# Altium PCB 2-quilter-output.pcbdoc (part 11 of 17)
Units mil, origin at the board's own origin, x right, y up, seen from the top; angles counter-clockwise.
Board outline 2728 x 2217 mil, 8 copper layers (L1_TOP, L2_GND, L3_INNER1, L4_GND, L5_PWR, L6_PWR, L7_GND, L8_BOT), stack 48.64 mil thick; 230 components, 327 nets, 1592 pads, 995 vias.
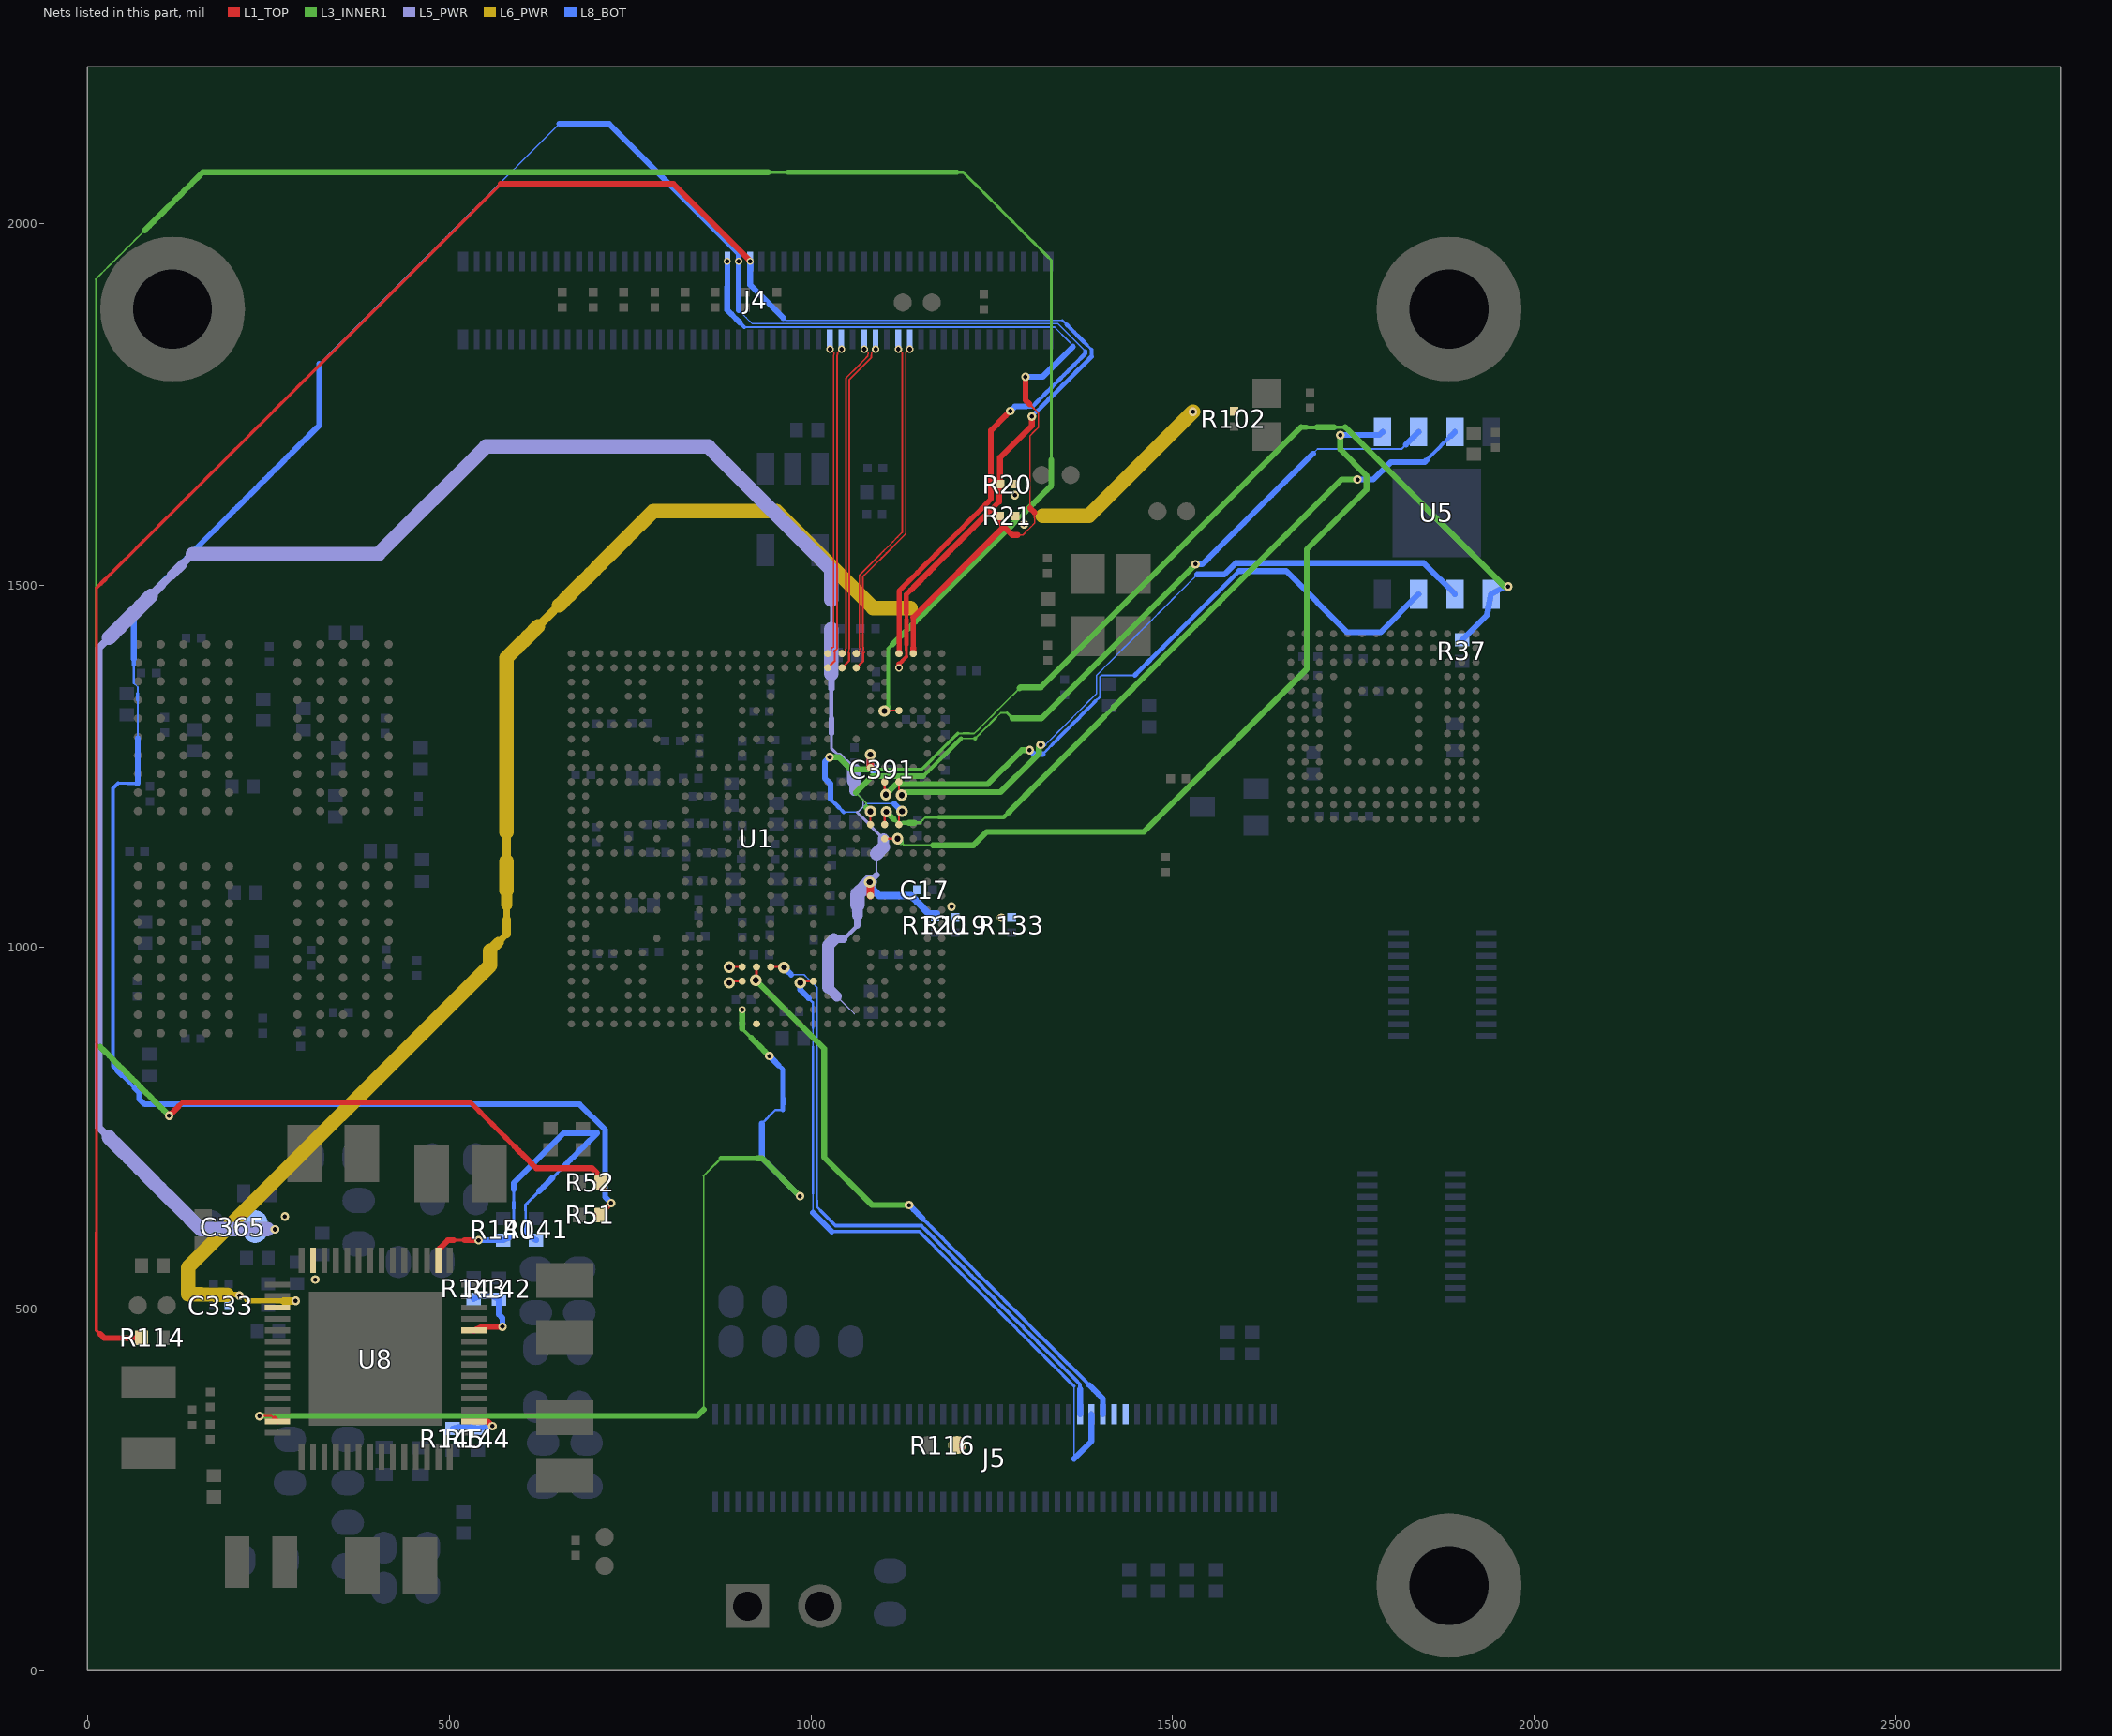
[diagram p17: the nets of this part, all layers, seen from the top]

## Via types
v1: diameter 12.01, hole 5.91, L1_TOP to L8_BOT, tented both sides, 409 vias
v2: diameter 16, hole 8, L1_TOP to L8_BOT, tented both sides, 329 vias
v3: diameter 10, hole 6, L1_TOP to L8_BOT, tented both sides, 205 vias
v4: diameter 16, hole 8, L1_TOP to L8_BOT, tented top, 52 vias

## Nets (pads, with @x,y where several pads share a name; then routed paths per layer and width w, separated by ;. In a path a pad name is that pad's centre, name@x,y a point inside that pad or via, vN(x,y) a via of type N, cw(c..) or ccw(c..) an arc to the next point about the centre after c; other vN are vias at no path point) (continued)
NVCC_SD2: C17.1 C365.1 R119.1 R120.1 R133.1 U1.V22 U8.55 | length 3000.5
  L1_TOP w10: v2(1081.23,1090.09) 1082.37,1088.95 U1.V22@1082.37,1071.16
  L5_PWR w2: 1036.03,932.07 1048.4,919.7 1060.07,908.03 ; 1059.67,1216.4 1068.31,1207.77 1072.15,1203.93 1072.15,1194.32 1064.09,1186.27 ; 1090.96,1099.82 1090.96,1114.54 1090.96,1129.27
  L5_PWR w4.21: 1028.43,1295.59 1028.43,1275.05 1038.84,1264.63 ; 1028.43,1439.39 1028.43,1459.93 1028.43,1480.48 ; 1064.09,1186.25 1076.61,1173.73 1089.14,1161.2 1100.31,1150.03
  L5_PWR w5.79: 1028.43,1316.13 1028.43,1336.68 1028.43,1357.22 ; 1045.54,1011 1054.95,1020.41 1064.36,1029.82
  L5_PWR w7.38: 1028.43,1295.59 1028.43,1316.13
  L5_PWR w8.96: 1028.43,1357.22 1028.43,1377.76 ; 1038.84,1264.63 1049.26,1254.22 ; 1064.36,1029.82 1064.36,1044.25 ; v2(1081.23,1090.09) 1090.96,1099.82
  L5_PWR w10.55: 29.97,737.3 15.84,751.42 15.84,772.11 15.84,792.79 15.84,813.48 15.84,834.16 15.84,854.85 15.84,875.54 15.84,896.22 15.84,916.91 15.84,937.59 15.84,958.28 15.84,978.96 15.84,999.65 15.84,1020.33 15.84,1041.02 15.84,1061.7 15.84,1082.39 15.84,1103.08 15.84,1123.76 15.84,1144.45 15.84,1165.13 15.84,1185.82 15.84,1206.5 15.84,1227.19 15.84,1247.87 15.84,1268.56 15.84,1289.24 15.84,1309.93 15.84,1330.62 15.84,1351.3 15.84,1371.99 15.84,1392.67 15.84,1413.36 30.28,1427.8 ; 102.49,1500.01 116.93,1514.45 ; 131.37,1528.89 145.81,1543.33 ; 1031.96,1011 1045.54,1011 ; 1049.26,1254.22 1059.67,1243.8
  L5_PWR w12.13: 88.05,1485.56 102.49,1500.01 ; 248.9,610.14 v1(259.42,610.14)
  L5_PWR w13.72: 116.93,1514.45 131.37,1528.89 ; 1023.66,944.44 1036.03,932.07 ; 1059.67,1216.4 1059.67,1230.1
  L5_PWR w15.3: 1064.36,1044.25 1064.36,1058.67 ; 1100.31,1138.62 1100.31,1150.03
  L5_PWR w16.89: 1023.66,944.44 1023.66,963.86 1023.66,983.28 1023.66,1002.7 1031.96,1011
  L5_PWR w18.47: 1090.96,1129.27 1100.31,1138.62
  L5_PWR w20.06: 29.97,737.3 44.1,723.17 58.22,709.04 72.35,694.91 86.48,680.79 100.61,666.66 114.73,652.53 128.86,638.4 142.99,624.28 ; 30.28,1427.8 44.73,1442.24 59.17,1456.68 73.61,1471.12 88.05,1485.56 ; 142.99,624.27 157.12,610.14 248.9,610.14 ; 145.81,1543.33 402.43,1543.33 550.92,1691.83 858.16,1691.83 1028.43,1521.56 1028.43,1501.02 1028.43,1480.48 ; 1028.43,1377.76 1028.43,1398.31 1028.43,1418.85 1028.43,1439.39 ; 1059.67,1230.1 1059.67,1243.8 ; 1064.36,1058.67 1064.36,1073.1 1075.59,1084.33 v2(1081.23,1090.09)
  L8_BOT w10: v2(1081.23,1090.09) 1081.23,1084.16 1094.14,1071.25 1138.34,1071.25 1147.13,1062.46 1163.11,1046.48 R120.1@1173.57,1046.48
  other v1: 315.04,540.67 273.24,627.82 1263.31,1040.77 1194.45,1056.11
NVCC_SNVS_1V8: C333.1 C391.1 R20.1 R21.1 R102.1 U1.J22 U8.3 | length 2220.9
  L1_TOP w10: v2(1082.17,1266.18) 1082.37,1265.98 U1.J22@1082.37,1248.32
  L6_PWR w4.21: v1@211.54,519.98 220.75,512.38
  L6_PWR w7.38: 193.52,520.02 211.54,519.98 v1@210.5,518.93 ; 220.75,512.38 221.94,511.19 238.48,511.19 255.01,511.19 271.54,511.19
  L6_PWR w8.96: 568.29,1006.74 579.62,1018.08 ; 579.62,1038.18 579.62,1058.29
  L6_PWR w10.55: v1(210.5,518.42) v1@210.5,518.93 ; 271.54,511.19 v1(288.07,511.19)
  L6_PWR w12.13: 579.62,1018.08 579.62,1038.18 ; 579.62,1118.6 579.62,1138.7 579.62,1158.81 ; 623.04,1443.48 637.51,1457.95 651.98,1472.42
  L6_PWR w15.3: 556.95,995.41 568.29,1006.74 ; 579.62,1058.29 579.62,1078.39
  L6_PWR w20.06: 193.52,520.02 175.5,520.06 157.48,520.1 139.46,520.15 139.45,557.64 556.95,975.13 556.95,995.4 ; 579.62,1078.39 579.62,1098.5 579.62,1118.6 ; 579.62,1158.81 579.62,1178.91 579.62,1199.02 579.62,1219.12 579.62,1239.23 579.62,1259.33 579.62,1279.44 579.62,1299.54 579.62,1319.65 579.62,1339.75 579.62,1359.86 579.62,1379.96 579.62,1400.06 594.1,1414.54 608.57,1429.01 623.04,1443.48 ; 651.98,1472.42 666.46,1486.9 680.93,1501.37 695.4,1515.84 709.87,1530.31 724.34,1544.78 738.82,1559.26 753.29,1573.73 767.76,1588.2 782.23,1602.67 952.09,1602.67 1085.97,1468.79 1137.4,1468.79 ; 1320.43,1596.37 1384.36,1596.37 v1(1527.96,1739.97)
  L8_BOT w10: v2(1082.17,1266.18) 1082.17,1252.28 C391.1@1088.43,1246.02
  other v1: 1294.64,1584.59 1281.78,1624.87
ONOFF: J4.46 R21.2 U1.A25 | length 1166.4
  L1_TOP w2: 1293.03,1569.72 1298.39,1575.08 1303.74,1580.43 1309.09,1585.78 ; 1303.07,1606.65 1303.07,1615.01 1303.07,1623.36 1303.07,1631.72 1303.07,1640.08 1303.07,1648.44 1303.07,1656.8 1303.07,1665.16 1303.07,1673.52 1303.07,1681.88 1303.07,1690.23 1303.07,1698.59 1303.07,1706.95 ; 1314.46,1724.97 1314.46,1731.6 1314.46,1738.23
  L1_TOP w2.2: 1285.61,1569.72 1293.03,1569.72 ; 1303.07,1706.95 1308.76,1712.65 1314.46,1718.34 1314.46,1724.97 ; 1308.48,1744.22 1314.46,1738.23 ; 1309.1,1585.79 1309.1,1593.2
  L1_TOP w2.79: 1302.49,1750.2 1308.48,1744.22 ; 1309.1,1593.2 1309.1,1600.62
  L1_TOP w6.88: 1141.64,1414.05 1141.64,1422.08 1141.64,1430.12 1141.64,1438.15 1141.64,1446.19 1141.64,1451.17 1141.64,1455.96
  L1_TOP w8.05: U1.A25@1141.43,1405.81 1141.64,1406.02 1141.64,1414.05 ; 1141.64,1455.96 1264.73,1579.04 1264.73,1583.19 ; R21.2@1261.04,1596.05 1261.04,1586.88 1264.73,1583.19 ; 1285.61,1569.72 1278.2,1569.72 1264.73,1583.19 ; v1(1296.5,1788.26) 1296.5,1756.19 1302.49,1750.2 ; 1303.07,1606.65 1309.1,1600.62
  L8_BOT w2: 908.15,1856.89 917.08,1856.89 926.01,1856.89 934.94,1856.89 943.87,1856.89 952.8,1856.89 961.73,1856.89 970.66,1856.89 979.59,1856.89 988.52,1856.89 997.45,1856.89 1006.38,1856.89 1015.31,1856.89 1024.24,1856.89 1033.17,1856.89 1042.11,1856.89 1051.04,1856.89 1059.97,1856.89 1068.9,1856.89 1077.83,1856.89 1086.76,1856.89 1095.69,1856.89 1104.62,1856.89 1113.55,1856.89 1122.48,1856.89 1131.41,1856.89 1140.34,1856.89 1149.27,1856.89 1158.2,1856.89 1167.13,1856.89 1176.07,1856.89 1185,1856.89 1193.93,1856.89 1202.86,1856.89 1211.79,1856.89 1220.72,1856.89 1229.65,1856.89 1238.58,1856.89 1247.51,1856.89 1256.44,1856.89 1265.37,1856.89 1274.3,1856.89 1283.23,1856.89 1292.16,1856.89 1301.09,1856.89 1310.02,1856.89 1318.96,1856.89 1327.89,1856.89 1336.82,1856.89 1343.16,1850.55 1349.5,1844.21 1355.84,1837.87 1362.18,1831.53
  L8_BOT w5.13: 902.22,1862.82 908.15,1856.89
  L8_BOT w5.71: 1362.18,1829.87 1362.18,1831.53
  L8_BOT w7.46: 890.37,1874.67 896.29,1868.75
  L8_BOT w8.05: v3(884.52,1947.75) 884.43,1880.6 890.37,1874.67 ; 896.29,1868.75 902.22,1862.82 ; v1(1296.5,1788.26) 1320.57,1788.26 1362.18,1829.87
PCIE_CLK_N: J4.75 U1.A21 | length 450.1
  L1_TOP w2.3: U1.A21@1062.69,1406.09 1066.95,1408.02 1067.77,1412.83 1067.17,1414.36 ; 1067.15,1414.41 1067.13,1414.49 1067.1,1414.57 1067.08,1414.65 1067.06,1414.73 1067.04,1414.82 1067.03,1414.9 1067.02,1414.98 1067.01,1415.07 1067.01,1415.15 1067.01,1415.24 1067.01,1425.02 1067.01,1434.8 1067.01,1444.58 1067.01,1454.36 1067.01,1464.14 1067.01,1473.92 1067.01,1483.7 1067.01,1493.48 1067.01,1503.26 1067.01,1513.04 1067.01,1513.12 1067.01,1513.21 1067.02,1513.29 1067.03,1513.37 1067.05,1513.46 1067.06,1513.54 1067.08,1513.62 1067.11,1513.7 1067.13,1513.78 1067.16,1513.86 1067.19,1513.94 1067.23,1514.02 1067.26,1514.1 1067.3,1514.17 1067.35,1514.24 1067.39,1514.32 1067.44,1514.39 1067.49,1514.45 1067.54,1514.52 1067.59,1514.59 1067.65,1514.65 1067.71,1514.71 1074.22,1521.23 1080.74,1527.74 1087.26,1534.26 1093.77,1540.78 1100.29,1547.29 1106.81,1553.81 1113.32,1560.33 1119.84,1566.84 1126.36,1573.36 1126.36,1583.38 1126.36,1593.4 1126.36,1603.42 1126.36,1613.44 1126.36,1623.47 1126.36,1633.49 1126.36,1643.51 1126.36,1653.53 1126.36,1663.55 1126.36,1673.57 1126.36,1683.59 1126.36,1693.61 1126.36,1703.63 1126.36,1713.66 1126.36,1723.68 1126.36,1733.7 1126.36,1743.72 1126.36,1753.74 1126.36,1763.76 1126.36,1773.78 1126.36,1783.8 1126.36,1793.83 1126.36,1803.85 1126.36,1813.87 ; v3@1120.97,1826.15 1126.46,1821.57 1126.36,1813.9
  other v3: 1120.99,1826.55
PCIE_CLK_P: J4.77 U1.B21 | length 472
  L1_TOP w2.3: 1072.5,1413.92 1072.52,1413.84 1072.55,1413.76 1072.57,1413.68 1072.59,1413.6 1072.61,1413.51 1072.62,1413.43 1072.63,1413.35 1072.64,1413.26 1072.65,1413.18 1072.65,1413.09 1072.65,1413.01 1072.64,1412.92 1072.64,1412.84 1072.63,1412.76 1072.61,1412.67 1071.68,1407.21 1073.84,1407.32 ; 1072.48,1413.95 1071.81,1415.69 1071.81,1425.32 1071.81,1434.95 1071.81,1444.59 1071.81,1454.22 1071.81,1463.85 1071.81,1473.49 1071.81,1483.12 1071.81,1492.75 1071.81,1502.38 1071.81,1512.02 1078.32,1518.53 1084.84,1525.05 1091.36,1531.57 1097.87,1538.08 1104.39,1544.6 1110.91,1551.12 1117.42,1557.63 1123.94,1564.15 1130.46,1570.67 1130.51,1570.73 1130.57,1570.79 1130.62,1570.86 1130.68,1570.92 1130.73,1570.99 1130.77,1571.06 1130.82,1571.13 1130.86,1571.21 1130.9,1571.28 1130.94,1571.36 1130.97,1571.44 1131,1571.51 1131.03,1571.59 1131.06,1571.67 1131.08,1571.76 1131.1,1571.84 1131.12,1571.92 1131.13,1572 1131.14,1572.09 1131.15,1572.17 1131.16,1572.26 1131.16,1572.34 1131.16,1582.4 1131.16,1592.47 1131.16,1602.53 1131.16,1612.6 1131.16,1622.66 1131.16,1632.72 1131.16,1642.79 1131.16,1652.85 1131.16,1662.91 1131.16,1672.98 1131.16,1683.04 1131.16,1693.1 1131.16,1703.17 1131.16,1713.23 1131.16,1723.3 1131.16,1733.36 1131.16,1743.42 1131.16,1753.49 1131.16,1763.55 1131.16,1773.61 1131.16,1783.68 1131.16,1793.74 1131.16,1803.8 1131.16,1813.87 1131.26,1821.5 v3@1136.72,1826.15
  L1_TOP w3: U1.B21@1062.69,1386.12 1072.39,1395.82 1072.39,1405.81
  other v3: 1136.74,1826.55
PCIE_RX_N: J4.63 U1.A19 | length 426.7
  L1_TOP w2.3: U1.A19@1024.38,1405.71 1027.57,1407.86 1028.2,1412.32 1028.21,1412.4 1028.23,1412.48 1028.25,1412.56 1028.27,1412.64 1028.29,1412.73 1028.32,1412.81 1028.35,1412.88 1028.38,1412.96 1028.42,1413.04 1028.46,1413.11 1028.5,1413.19 1028.54,1413.26 1028.59,1413.33 1028.64,1413.4 1028.69,1413.47 1028.74,1413.53 1028.8,1413.6 1028.86,1413.66 1028.92,1413.72 1028.98,1413.77 1029.04,1413.83 1029.11,1413.88 1029.18,1413.93 1029.25,1413.98 1029.32,1414.03 1029.39,1414.07 1029.47,1414.11 1029.54,1414.15 1029.62,1414.18 1031.51,1415 1031.51,1425.02 1031.51,1435.04 1031.51,1445.05 1031.51,1455.07 1031.51,1465.09 1031.51,1475.1 1031.51,1485.12 1031.51,1495.14 1031.51,1505.15 1031.51,1515.17 1031.51,1525.18 1031.51,1535.2 1031.51,1545.22 1031.51,1555.23 1031.51,1565.25 1031.51,1575.27 1031.51,1585.28 1031.51,1595.3 1031.51,1605.32 1031.51,1615.33 1031.51,1625.35 1031.51,1635.36 1031.51,1645.38 1031.51,1655.4 1031.51,1665.41 1031.51,1675.43 1031.51,1685.45 1031.51,1695.46 1031.51,1705.48 1031.51,1715.5 1031.51,1725.51 1031.51,1735.53 1031.51,1745.54 1031.51,1755.56 1031.51,1765.58 1031.51,1775.59 1031.51,1785.61 1031.51,1795.63 1031.51,1805.64 1031.51,1815.66 1031.51,1815.74 1031.52,1815.83 1031.98,1821.72 v3@1026.48,1826.15
  other v3: 1026.5,1826.55
PCIE_RX_P: J4.65 U1.B19 | length 447.8
  L1_TOP w2.3: 1033.03,1407.32 1032.32,1407.18 1032.76,1410.32 1034.36,1411.01 1034.44,1411.05 1034.52,1411.08 1034.59,1411.12 1034.66,1411.17 1034.73,1411.21 1034.8,1411.26 1034.87,1411.31 1034.94,1411.36 1035,1411.42 1035.07,1411.48 1035.1,1411.52 1035.61,1412.02 1035.67,1412.08 1035.72,1412.14 1035.78,1412.21 1035.83,1412.27 1035.88,1412.34 1035.93,1412.41 1035.97,1412.48 1036.01,1412.56 1036.05,1412.63 1036.09,1412.71 1036.12,1412.79 1036.15,1412.86 1036.18,1412.94 1036.21,1413.02 1036.23,1413.11 1036.25,1413.19 1036.27,1413.27 1036.28,1413.35 1036.29,1413.44 1036.3,1413.52 1036.31,1413.61 1036.31,1413.69 1036.31,1423.74 1036.31,1433.78 1036.31,1443.83 1036.31,1453.88 1036.31,1463.92 1036.31,1473.97 1036.31,1484.02 1036.31,1494.06 1036.31,1504.11 1036.31,1514.15 1036.31,1524.2 1036.31,1534.25 1036.31,1544.29 1036.31,1554.34 1036.31,1564.39 1036.31,1574.43 1036.31,1584.48 1036.31,1594.53 1036.31,1604.57 1036.31,1614.62 1036.31,1624.66 1036.31,1634.71 1036.31,1644.76 1036.31,1654.8 1036.31,1664.85 1036.31,1674.9 1036.31,1684.94 1036.31,1694.99 1036.31,1705.04 1036.31,1715.08 1036.31,1725.13 1036.31,1735.17 1036.31,1745.22 1036.31,1755.27 1036.31,1765.31 1036.31,1775.36 1036.31,1785.41 1036.31,1795.45 1036.31,1805.5 1036.31,1815.54 1036.76,1821.35 v3@1042.23,1826.15
  L1_TOP w3: U1.B19@1023.31,1386.12 1033.02,1395.82 1033.02,1405.81
  other v3: 1042.25,1826.55
PCIE_TX_N: J4.69 U1.A20 | length 438.4
  L1_TOP w2.3: U1.A20@1042.78,1405.59 1047.27,1408.07 1048.46,1414.25 1048.46,1424.28 1048.46,1434.32 1048.46,1444.35 1048.46,1454.39 1048.46,1464.42 1048.46,1474.46 1048.46,1484.49 1048.46,1494.53 1048.46,1504.56 1048.46,1514.6 1048.46,1524.63 1048.46,1534.67 1048.46,1544.7 1048.46,1554.74 1048.46,1564.77 1048.46,1574.8 1048.46,1584.84 1048.46,1594.87 1048.46,1604.91 1048.46,1614.94 1048.46,1624.98 1048.46,1635.01 1048.46,1645.05 1048.46,1655.08 1048.46,1665.12 1048.46,1675.15 1048.46,1685.19 1048.46,1695.22 1048.46,1705.26 1048.46,1715.29 1048.46,1725.33 1048.46,1735.36 1048.46,1745.4 1048.46,1755.43 1048.46,1765.47 1048.46,1775.5 1048.46,1785.54 1048.47,1785.62 1048.47,1785.71 1048.48,1785.79 1048.49,1785.87 1048.51,1785.96 1048.52,1786.04 1048.54,1786.12 1048.57,1786.2 1048.59,1786.28 1048.62,1786.36 1048.65,1786.44 1048.69,1786.52 1048.72,1786.6 1048.76,1786.67 1048.8,1786.74 1048.85,1786.82 1048.9,1786.89 1048.95,1786.95 1049,1787.02 1049.05,1787.09 1049.11,1787.15 1049.17,1787.21 1055.09,1793.14 1061.02,1799.06 1066.95,1804.99 1072.88,1810.92 1078.8,1816.84 1079.22,1821.74 v3@1073.73,1826.15
  other v3: 1073.75,1826.55
PCIE_TX_P: J4.71 U1.B20 | length 458.5
  L1_TOP w2.3: 1052.72,1407.32 1051.98,1407.16 1053.22,1413.56 1053.24,1413.64 1053.25,1413.73 1053.26,1413.81 1053.26,1413.9 1053.26,1413.98 1053.26,1424.03 1053.26,1434.04 1053.26,1444.06 1053.26,1454.07 1053.26,1464.08 1053.26,1474.1 1053.26,1484.11 1053.26,1494.13 1053.26,1504.14 1053.26,1514.15 1053.26,1524.17 1053.26,1534.18 1053.26,1544.19 1053.26,1554.21 1053.26,1564.22 1053.26,1574.23 1053.26,1584.25 1053.26,1594.26 1053.26,1604.27 1053.26,1614.29 1053.26,1624.3 1053.26,1634.32 1053.26,1644.33 1053.26,1654.34 1053.26,1664.36 1053.26,1674.37 1053.26,1684.38 1053.26,1694.4 1053.26,1704.41 1053.26,1714.42 1053.26,1724.44 1053.26,1734.45 1053.26,1744.46 1053.26,1754.48 1053.26,1764.49 1053.26,1774.5 1053.26,1784.52 1059.17,1790.43 1065.09,1796.34 1071,1802.25 1076.91,1808.16 1082.82,1814.07 1082.87,1814.13 1082.93,1814.19 1082.98,1814.26 1083.04,1814.33 1083.09,1814.39 1083.13,1814.46 1083.18,1814.54 1083.22,1814.61 1083.26,1814.68 1083.3,1814.76 1083.33,1814.84 1083.36,1814.92 1083.39,1815 1083.42,1815.08 1083.44,1815.16 1083.46,1815.24 1083.48,1815.32 1083.49,1815.41 1083.5,1815.49 1083.51,1815.56 1084.01,1821.33 v3@1089.47,1826.15
  L1_TOP w3: U1.B20@1043,1386.12 1052.71,1395.82 1052.71,1405.81
  other v3: 1089.49,1826.55
PDM_CLK: J5.65 U1.AC15 | length 885.4
  L1_TOP w3: U1.AC15@944.57,972.74 962.18,972.74 v2(962.88,972.04)
  L8_BOT w2: 972.93,961.99 981.86,961.99 990.79,961.99
  L8_BOT w2.2: 990.79,961.99 996.76,956.03 1002.72,950.06 1008.68,944.1 1008.68,935.18 1008.68,926.27 1008.68,917.35 1008.68,908.43 1008.68,899.51 1008.68,890.59 1008.68,881.68 1008.68,872.76 1008.68,863.84 1008.68,854.92 1008.68,846.01 1008.68,837.09 1008.68,828.17 1008.68,819.25 1008.68,810.33 1008.68,801.42 1008.68,792.5 1008.68,783.58 1008.68,774.66 1008.68,765.75 1008.68,756.83 1008.68,747.91 1008.68,738.99 1008.68,730.07 1008.68,721.16 1008.68,712.24 1008.68,703.32 1008.68,694.4 1008.68,685.49 1008.68,676.57 1008.68,667.65 1008.68,658.73 1008.68,649.82
  L8_BOT w3.37: 1008.68,649.82 1008.68,640.9 1013.86,635.72
  L8_BOT w5.13: 1013.86,635.72 1019.04,630.54 1024.22,625.36 1029.4,620.18 1034.58,615 1043.04,615 1051.5,615 1059.96,615 1068.43,615 1076.89,615 1085.35,615 1093.81,615 1102.28,615 1110.74,615 1119.2,615 1127.66,615 1136.13,615 1144.59,615 1153.05,615 1159.31,608.75 1165.56,602.49 1171.82,596.24 1178.07,589.98 1184.33,583.73 1190.58,577.47 1196.84,571.22 1203.1,564.96 1209.35,558.71 1215.61,552.45 1221.86,546.2 1228.12,539.94 1234.37,533.69 1240.63,527.43 1246.88,521.17 1253.14,514.92 1259.39,508.66 1265.65,502.41 1271.9,496.15 1278.16,489.9 1284.41,483.64 1290.67,477.39 1296.92,471.13 1303.18,464.88 1309.44,458.62 1315.69,452.37 1321.95,446.11 1328.2,439.86 1334.46,433.6 1340.71,427.35 1346.97,421.09 1353.22,414.83 1359.48,408.58 1365.73,402.32 1371.99,396.07 1371.99,389.19
  L8_BOT w8.05: v2(962.88,972.04) 968.58,966.34 972.93,961.99 ; J5.65@1372,354.53 1371.99,368.54 1371.99,375.42 1371.99,382.31 1371.99,389.19
PDM_DATA0: J5.67 U1.AD18 | length 976
  L1_TOP w3: v2(985.36,950.88) 987.53,953.05 U1.AD18@1003.63,953.05
  L8_BOT w2: 1363.58,293.05 1363.58,301.41 1363.58,309.77 1363.58,318.13 1363.58,326.49 1363.58,334.85 1363.58,343.21 1363.58,351.57 1363.58,359.93 1363.58,368.29 1363.58,376.65 1363.58,385.01 1363.58,393.37
  L8_BOT w2.2: 1002.87,633.13 1002.87,641.93 1002.87,650.73 1002.87,659.54 ; 1002.87,862.03 1002.87,870.83 1002.87,879.64 1002.87,888.44
  L8_BOT w3.37: 997.03,929.5 1002.87,923.66 1002.87,914.85 1002.87,906.05 1002.87,897.24 1002.87,888.44 ; 1002.87,659.54 1002.87,668.34 1002.87,677.14 1002.87,685.95 1002.87,694.75 1002.87,703.56 1002.87,712.36 1002.87,721.16 1002.87,729.97 1002.87,738.77 1002.87,747.58 1002.87,756.38 1002.87,765.18 1002.87,773.99 1002.87,782.79 1002.87,791.6 1002.87,800.4 1002.87,809.2 1002.87,818.01 1002.87,826.81 1002.87,835.62 1002.87,844.42 1002.87,853.22 1002.87,862.03
  L8_BOT w4.54: 1028.84,607.15 1037.48,607.15 1046.12,607.15 1054.76,607.15 1063.4,607.15 1072.04,607.15 1080.68,607.15 1089.32,607.15 1097.96,607.15 1106.6,607.15 1115.24,607.15 1123.88,607.15 1132.52,607.15 1141.16,607.15 1149.8,607.15 1156.09,600.86 1162.37,594.58 1168.66,588.29 1174.95,582 1181.24,575.71 1187.53,569.43 1193.81,563.14 1200.1,556.85 1206.39,550.56 1212.68,544.27 1218.96,537.99 1225.25,531.7 1231.54,525.41 1237.83,519.12 1244.11,512.84 1250.4,506.55 1256.69,500.26 1262.98,493.97 1269.27,487.69 1275.55,481.4 1281.84,475.11 1288.13,468.82 1294.42,462.53 1300.7,456.25 1306.99,449.96 1313.28,443.67 1319.57,437.38 1325.86,431.1 1332.14,424.81 1338.43,418.52 1344.72,412.23 1351.01,405.94 1357.29,399.66 1363.58,393.37
  L8_BOT w8.05: v2(985.36,950.88) 985.35,941.18 991.19,935.34 997.03,929.5 ; 1002.87,633.13 1028.84,607.15 ; 1363.59,293.04 1387.74,317.18 J5.67@1387.74,354.53
PDM_DATA1: J5.69 U1.AC14 | length 846.9
  L1_TOP w4: v2@924.89,954.26 U1.AC14@924.89,972.74
  L3_INNER1 w8.05: v2(924,954.26) 1018.59,859.68 1018.59,709.73 1081.62,646.7 1084.57,643.74 v1(1135.84,643.74)
  L8_BOT w5.13: 1154.96,624.62 1161.33,618.25 1167.71,611.87 1174.08,605.5 1180.45,599.13 1186.82,592.76 1193.2,586.38 1199.57,580.01 1205.94,573.64 1212.31,567.27 1218.69,560.9 1225.06,554.52 1231.43,548.15 1237.8,541.78 1244.17,535.41 1250.55,529.03 1256.92,522.66 1263.29,516.29 1269.66,509.92 1276.04,503.54 1282.41,497.17 1288.78,490.8 1295.15,484.43 1301.53,478.05 1307.9,471.68 1314.27,465.31 1320.64,458.94 1327.02,452.56 1333.39,446.19 1339.76,439.82 1346.13,433.45 1352.51,427.08 1358.88,420.7 1365.25,414.33 1371.62,407.96 1377.99,401.59 1384.37,395.21
  L8_BOT w8.05: v1(1135.84,643.74) 1142.22,637.36 1148.59,630.99 1154.96,624.62 ; 1384.37,395.21 1390.74,388.84 1397.11,382.47 1403.48,376.1 J5.69@1403.5,354.53
PDM_DATA2: J5.71 U1.AD13 | length 18.8
  L1_TOP w3: v2(887.32,950.87) 889.5,953.05 U1.AD13@905.21,953.05
PDM_DATA3: J5.73 U1.AC13 | length 17.9
  L1_TOP w3: v2(887.35,972.58) 887.5,972.74 U1.AC13@905.21,972.74
PMIC_NINT: U1.AF13 U8.13 | length 1454.4
  L1_TOP w2.79: v1@243.19,352.18 248.56,352.18 255.3,352.18 U8.13@259.08,348.41
  L1_TOP w3.96: v1(237.82,352.18) v1@243.19,352.18
  L1_TOP w8.05: U8.13@259.08,348.41 U8.13@262.86,344.62
  L3_INNER1 w2: 851.89,361.16 851.89,370.14 851.89,379.11 851.89,388.09 851.89,397.07 851.89,406.04 851.89,415.02 851.89,423.99 851.89,432.97 851.89,441.94 851.89,450.92 851.89,459.89 851.89,468.87 851.89,477.84 851.89,486.82 851.89,495.79 851.89,504.77 851.89,513.74 851.89,522.72 851.89,531.69 851.89,540.67 851.89,549.64 851.89,558.62 851.89,567.59 851.89,576.57 851.89,585.54 851.89,594.52 851.89,603.49 851.89,612.47 851.89,621.44 851.89,630.42 851.89,639.39 851.89,648.37 851.89,657.34 851.89,666.32 851.89,675.29 851.89,684.27
  L3_INNER1 w2.79: 851.89,684.27 857.87,690.24 863.84,696.21 869.81,702.19 875.78,708.16
  L3_INNER1 w4.54: 905.2,887.15 911.44,880.91 917.67,874.67
  L3_INNER1 w6.88: 875.78,708.16 883.94,708.16 892.09,708.16 900.24,708.16 908.39,708.16 916.55,708.16 924.7,708.16